# Altium PCB Drone.PcbDoc (part 2 of 2)
Units mil, origin at the board's own origin, x right, y up, seen from the top; angles counter-clockwise.
Board outline 3770.74 x 3770.74 mil, 4 copper layers (Top Layer, Layer 1, Layer 2, Bottom Layer), stack 33.556 mil thick; 105 components, 64 nets, 373 pads, 78 vias.
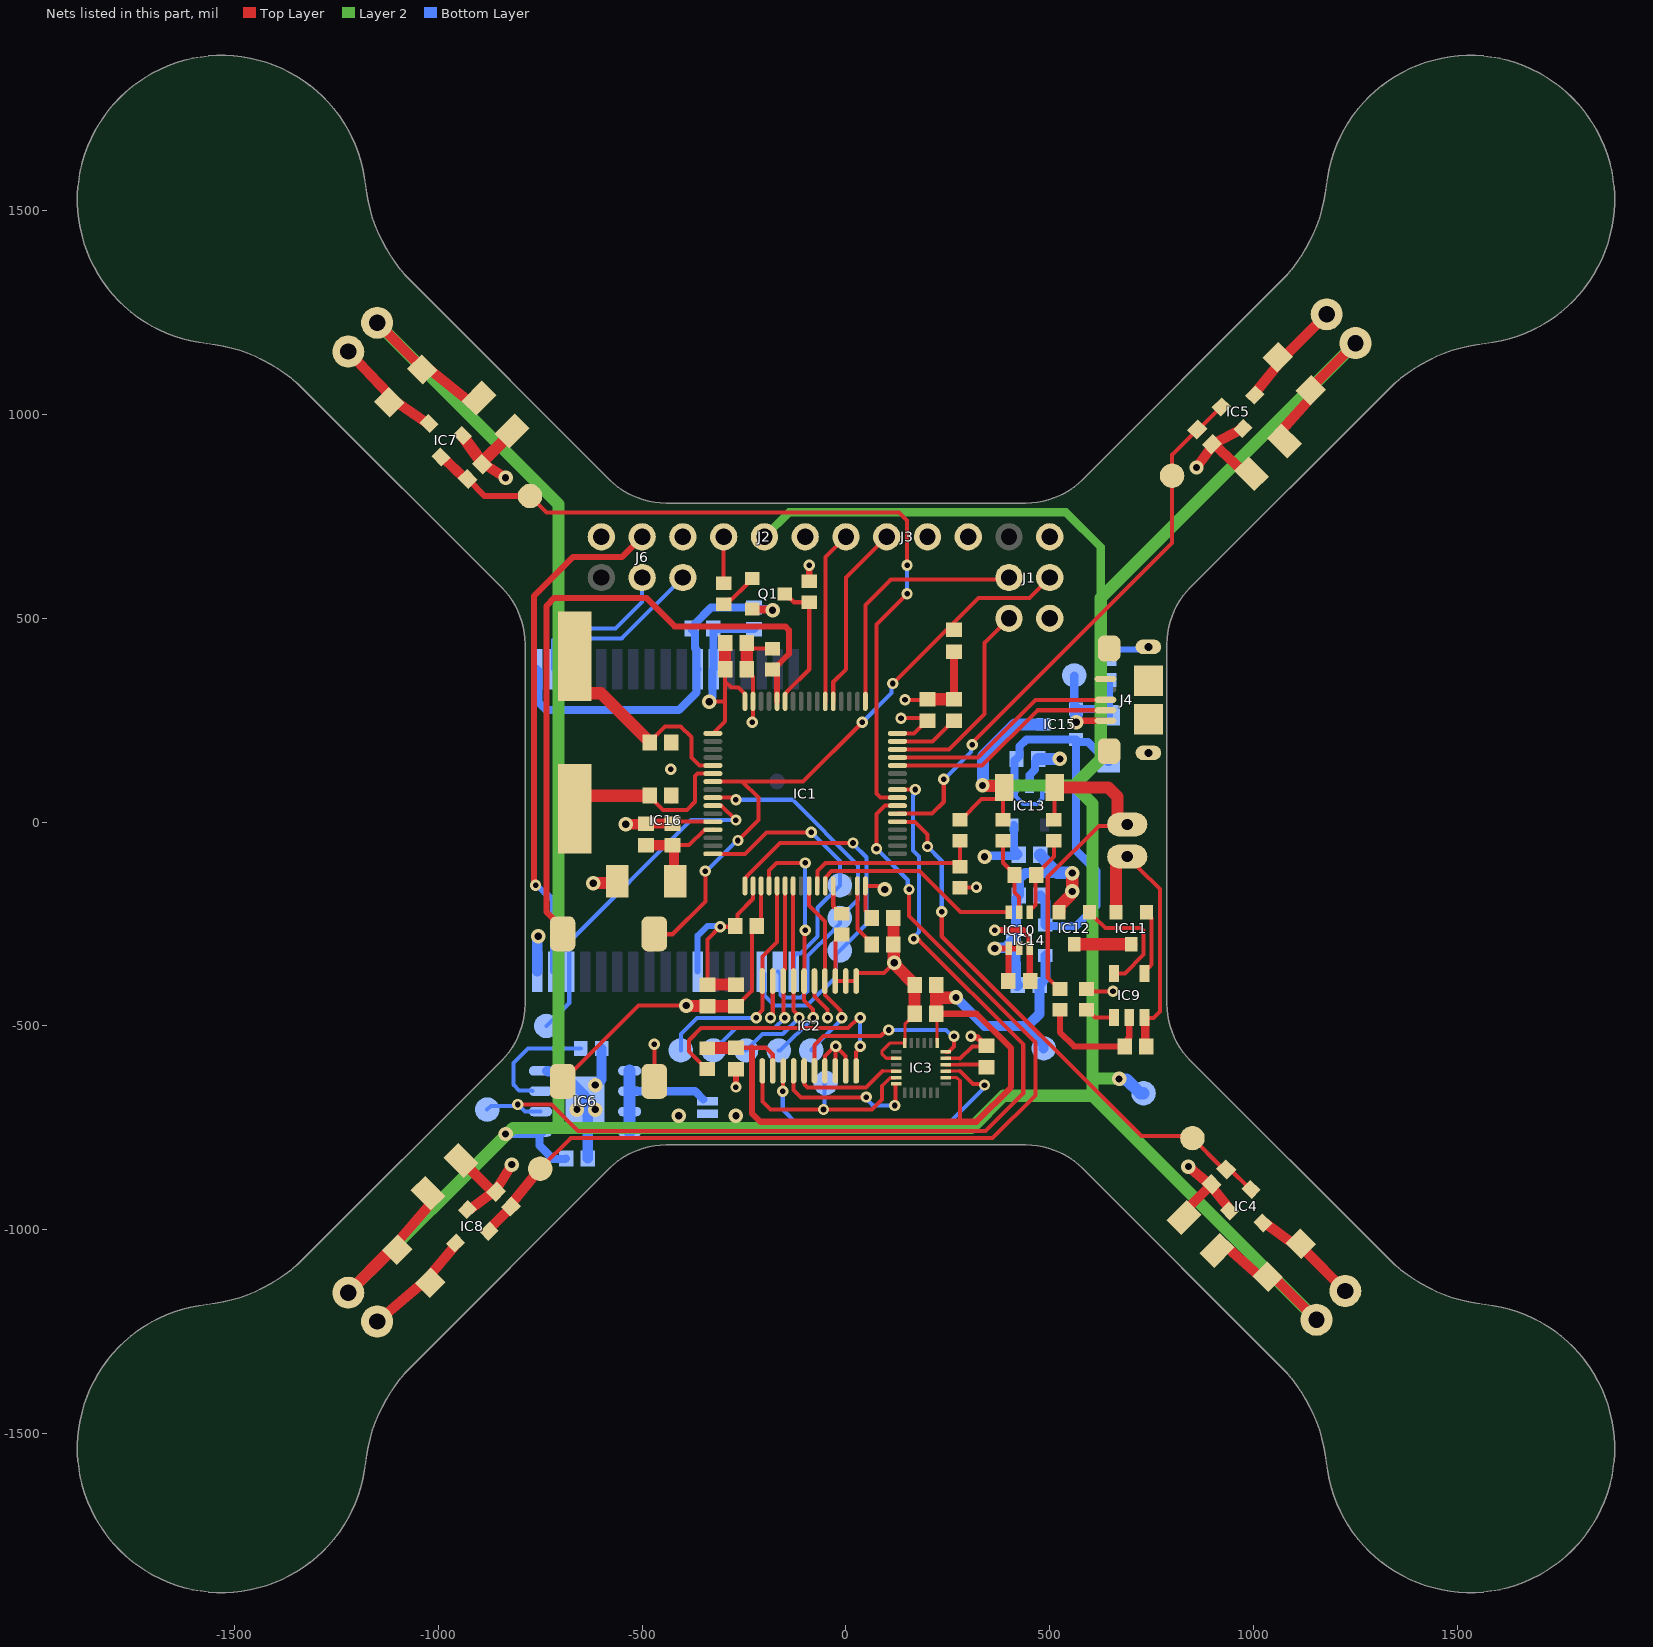
[diagram p4: the nets of this part, all layers, seen from the top]

## Via types
v1: diameter 27.56, hole 13.78, Top Layer to Bottom Layer, tented both sides, 51 vias
v2: diameter 35.43, hole 17.72, Top Layer to Bottom Layer, tented both sides, 27 vias

## Nets (pads, with @x,y where several pads share a name; then routed paths per layer and width w, separated by ;. In a path a pad name is that pad's centre, name@x,y a point inside that pad or via, vN(x,y) a via of type N, cw(c..) or ccw(c..) an arc to the next point about the centre after c; other vN are vias at no path point)
+1V8: C15.1 C17.2 C18.2 C31.2 IC2.2 IC3.8 IC3.13 IC14.2 R5.1 TP14.1 | length 2160
  Top Layer w8: C17.2@221.57,-470 223.54,-471.97 IC3.13@223.54,-542.05 ; IC3.8@245,-626.5 271.5,-626.5 280,-635
  Top Layer w10: C15.1@-270,-553.43 -230,-553.43 -196.57,-553.43 -179.57,-570.43 IC2.2@-179.57,-610.24 ; 280,-735 280,-635
  Top Layer w15: -230,-553.43 -230,-715 -210,-735 280,-735 320,-735 405,-650 405,-554.76 320.24,-470 C17.2@221.57,-470
  Top Layer w30: R5.1@-340,-554.41 -339.51,-553.92 -270.49,-553.92 C15.1@-270,-553.43 ; C17.2@221.57,-470 221.57,-435 ; C18.2@221.57,-400 221.57,-435 ; v2(270,-430) 268.96,-431.04 225.54,-431.04 221.57,-435
  Bottom Layer w25: v2(270,-430) 340,-500 445,-500 ; TP14.1@485,-555 485,-545.53 445,-505.53 445,-500 ; IC14.2@489.37,-327.4 489.37,-383.66 475,-398.03 475,-470 445,-500
+3V3: C6.2 C7.2 C9.2 C10.2 C11.2 C12.2 C16.2 C27.1 C29.2 C32.2 C33.2 FB1.1 IC1.1 IC1.19 IC1.32 IC1.48 IC1.64 IC2.19 IC10.3 IC13.5 IC16.12 J1.VTREF J3.VCC J6.VTREF R1.2 S2.2 | length 2313.8
  Top Layer w10: S2.2@-695,-635.91 -695,-630.11 -669.32,-604.43 -663.52,-604.43 -509.09,-450 v2(-391.56,-450) ; v2(-335.07,295.07) -333.75,296.38 -296.57,296.38 ; IC1.1@-326.38,217.64 -296.57,247.44 -296.57,296.38 ; C12.2@-296.57,375 -296.57,345.32 ; C16.2@-270,-451.57 -268.03,-451.57 -230,-413.54 -230,-266.57 -208.27,-244.84 IC1.19@-208.27,-156.38 ; IC1.64@-247.64,296.38 -247.64,314.09 -263.42,329.88 -281.14,329.88 -296.57,345.32 ; v1(-185,-480) -185,-475.25 -179.57,-469.82 IC2.19@-179.57,-389.76 ; C7.2@63.43,-235 63.43,-233.03 47.64,-217.24 IC1.32@47.64,-156.38 79.5,-156.38 88.12,-165 v2(95,-165) ; IC1.48@126.38,217.64 167.24,217.64 200,250.39 195.39,255 v1(135,255) ; -296.57,296.38 -296.57,345.32
  Top Layer w15: R1.2@-90,590.59 v1(-90,630) ; v1(365,-265) 435,-265 450.22,-280.22 450.22,-308.92 IC10.3@450.59,-309.29 450.96,-309.67 450.96,-389.39 C27.1@451.57,-390
  Top Layer w30: v2(-620,-150) -618.96,-148.96 -564.82,-148.96 FB1.1@-560.87,-145.01 ; v2(-391.56,-450) -390.77,-450.79 -340.79,-450.79 C6.2@-340,-451.57 C16.2@-270,-451.57 ; C12.2@-296.57,375 C11.2@-296.57,440
  Bottom Layer w20: v2(-335.07,295.07) -335.07,299.24 -327.2,307.1 -327.2,372.8 -324.7,375.3 C33.2@-324.7,474.7 ; C33.2@-325,475 C33.2@-324.7,474.7 ; C32.2@-225,473.43 -225.79,474.21 -324.21,474.21 C33.2@-324.7,474.7 ; v2(340,-85) 342.5,-82.5 420.93,-82.5 C29.2@423.43,-80 423.43,-78.03 412.6,-67.2 IC13.5@412.6,-7.24
+3V3_VDDA: C4.2 C5.2 FB1.2 IC1.13 | length 270.2
  Top Layer w10: C5.2@-425,-56.57 -385.01,-56.57 -347.36,-18.93 -326.72,-18.93 IC1.13@-326.38,-18.58
  Top Layer w25: C4.2@-490,-56.57 C5.2@-425,-56.57 -422.07,-59.51 -422.07,-142.07 FB1.2@-419.13,-145.01
+5V_USB: D5.1 IC15.1 J4.1 R18.2 TP12.1 | length 363.7
  Top Layer w15: v2(565,245) 568.82,248.82 J4.1@636.65,248.82
  Bottom Layer w20: TP12.1@560,360 560,283.15 IC15.1@564.37,277.4 629.69,277.4 D5.1@645,262.09 R18.2@645,348.82
  Bottom Layer w30: IC15.1@564.37,277.4 564.69,277.09 564.69,245.32 v2(565,245)
+V_BATT: C20.2 C21.2 C22.2 C23.2 C24.2 D1.2 D2.2 D3.2 D4.2 IC6.1 IC15.3 J2.VCC L1.Anode M1.+ M2.+ M3.+ M4.+ R11.2 R13.2 R14.1 TP15.1 | length 10540.9
  Top Layer w10: R14.1@280,5.59 281.97,5.59 332.91,56.54 370.35,56.54 385,71.18 R13.2@385,5.59
  Top Layer w25: M3.+@-1150,1225 -1046.38,1121.38 D3.2@-1039.63,1110.37 -1019.73,1108.97 -925.47,1033.04 C23.2@-900,1040 ; D4.2@-1100.73,-1049.27 -1099.34,-1029.36 -1018.41,-935.84 C24.2@-1025.37,-910.37 ; C20.2@910.37,-1050.37 935.84,-1043.41 1014.73,-1113.97 D1.2@1034.63,-1115.37 1052.44,-1118.86 M1.+@1154.29,-1220.71 ; C21.2@1075.37,935.37 1068.41,960.84 1138.97,1039.73 D2.2@1140.37,1059.63 1148.15,1073.15 M2.+@1250,1175
  Top Layer w30: M4.+@-1220.71,-1154.29 -1117.09,-1050.67 D4.2@-1100.73,-1049.27 ; v2(335,90) 336.04,88.96 384.03,88.96 R11.2@387.99,85
  Layer 2 w20: -410,-750 v2(-410,-720) ; -270,-750 v2(-270,-720) ; J2.VCC@-200,700 -140,760 540,760 625,675 625,550
  Layer 2 w30: M4.+@-1220.71,-1154.29 -816.42,-750 -705,-750 ; M3.+@-1150,1225 -705,780 -705,-750 ; v2(335,90) 560,90 ; v2(670,-630) 668.96,-628.96 608.96,-628.96 605,-625 ; M1.+@1154.29,-1220.71 605,-671.42 ; M2.+@1250,1175 625,550 625,155 560,90 ; -705,-750 -410,-750 -270,-750 308.21,-750 386.79,-671.42 605,-671.42 ; 560,90 605,45 605,-625 ; 605,-671.42 605,-625
  Bottom Layer w20: IC6.1@-751.83,-761.67 -751.83,-793.17 -718.65,-826.35 -687.93,-826.35 C22.2@-686.57,-825
  Bottom Layer w30: v2(-835,-765) -833.53,-765 -828.53,-760 IC6.1@-749.25,-760 ; v2(335,90) 336.04,91.04 336.04,161.04 414.25,239.25 484.88,239.25 IC15.3@485.63,240 ; v2(670,-630) 671.04,-631.04 687.92,-631.04 721.88,-665 TP15.1@730,-665
+V_BATT_CONN: J5.1 R11.1 R12.2 R15.2 | length 853.9
  Top Layer w10: R15.2@510,5.59 512.01,7.6 R11.1@512.01,85 ; R12.2@525,-409.41 523.03,-409.41 495,-381.38 495,-135 620.84,-9.16 666.79,-9.16 670.31,-5.63 679.52,-5.63 J5.1@690,-5.63
  Top Layer w30: R11.1@512.01,85 643.53,85 666.1,62.43 666.1,7.79 J5.1@679.52,-5.63
+Vin_RAW: C28.2 C30.2 D5.2 IC13.1 IC13.3 IC14.1 IC15.2 | length 1137
  Bottom Layer w10: IC13.1@412.6,87.24 416.57,83.27 416.57,63.43 435,45 469.14,45 481.57,57.43 481.57,81.42 IC13.3@487.4,87.24
  Bottom Layer w20: IC13.1@412.6,87.24 413.43,88.07 C28.2@413.43,151.97 ; C28.2@418.43,155 426.14,162.72 426.14,186.14 442.6,202.6 IC15.2@564.37,202.6 ; IC14.1@489.37,-252.6 491.77,-255 565,-255 615,-205 615,-120 564.37,-69.37 IC15.2@564.37,202.6 ; D5.2@645,147.91 643.03,147.91 594.09,196.85 570.12,196.85 IC15.2@564.37,202.6
  Bottom Layer w25: C30.2@476.57,-180 476.57,-181.97 489.37,-194.76 IC14.1@489.37,-252.6
BOOT0: IC1.60 R3.2 S2.1 | length 1653.7
  Top Layer w15: S2.1@-695,-274.09 -695,-260.13 -735,-220.13 -735,530 -715,550 -490,550 -420,480 -148.79,480 -140,471.21 -140,412.44 -178.03,374.41 R3.2@-180,374.41 -168.9,363.31 IC1.60@-168.9,296.38
BOOT1: IC1.28 R2.2 | length 77.9
  Top Layer w10: IC1.28@-31.1,-156.38 -31.1,-205.28 -11.97,-224.41 R2.2@-10,-224.41
CURR_ADC: IC1.27 IC10.6 | length 519
  Top Layer w10: IC1.27@-50.79,-156.38 -50.44,-156.03 -50.44,-135.44 -35,-120 180,-120 280.71,-220.71 IC10.6@399.41,-220.71
DWM_BT_WAKE: IC1.10 IC16.32 TP16.1 | length 833.1
  Top Layer w10: IC1.10@-326.38,40.47 -326.03,40.13 -305.13,40.13 v1(-270,5)
  Bottom Layer w10: TP16.1@-735,-500 -678.74,-443.74 IC16.32@-678.74,-366.73 -678.74,-293.84 -379.9,5 v1(-270,5)
DWM_READY: IC1.9 IC16.19 TP17.1 | length 919.9
  Top Layer w10: IC1.9@-326.38,60.16 -279.91,60.16 -274.75,55 v1(-270,55)
  Bottom Layer w10: v1(-270,55) -131.37,55 30,-106.37 30,-190 TP17.1@-15,-235 -15,-248.53 -29.32,-262.85 -29.32,-264.32 -95,-330 -95,-415 -110,-430 -154.47,-430 -160.33,-424.14 -160.33,-373.33 IC16.19@-166.93,-366.73
DWM_SWCLK: IC16.2 J6.SWCLK | length 388.6
  Bottom Layer w10: IC16.2@-718.11,375 -717.99,375.12 -717.99,447.01 -690,475 -565,475 -500,540 J6.SWCLK@-500,600
DWM_SWDIO: IC16.3 J6.SWDIO | length 404.9
  Bottom Layer w10: IC16.3@-678.74,375 -675.86,377.88 -675.86,434.14 -660,450 -550,450 J6.SWDIO@-400,600
DWM_UART_RX: IC1.16 IC16.18 TP18.1 | length 685.2
  Top Layer w10: IC1.16@-326.38,-77.64 -247.64,-77.64 -195,-25 v1(-85,-25)
  Bottom Layer w10: IC16.18@-127.56,-366.73 -127.56,-329.53 -119.76,-321.73 -111.73,-321.73 -70,-280 -70,-210 TP18.1@-15,-155 -15,-95 v1(-85,-25)
DWM_UART_TX: IC1.17 IC16.20 TP19.1 | length 968.4
  Top Layer w10: IC1.17@-247.64,-156.38 -247.64,-138.17 -242.86,-133.39 -242.86,-132.49 -161.51,-51.14 v1(17.23,-51.14)
  Bottom Layer w10: IC16.20@-206.3,-366.73 -200.28,-372.75 -200.28,-424.72 -175,-450 -95,-450 -24.57,-379.57 -24.57,-324.57 TP19.1@-15,-315 50,-250 50,-86.14 17.23,-53.37 v1(17.23,-51.14)
GND: C1.1 C2.1 C3.1 C4.1 C5.1 C6.1 C7.1 C9.1 C10.1 C11.1 C12.1 C13.1 C14.1 C15.2 C16.1 C17.1 C18.1 C19.1 C20.1 C21.1 C22.1 C23.1 C24.1 C27.2 C28.1 C29.1 C30.1 C31.1 C32.1 C33.1 IC1.12 IC1.18 IC1.63 IC2.7 IC2.8 IC2.9 IC2.11 IC2.12 IC2.13 IC2.15 IC3.11 IC3.18 IC3.20 IC4.2 IC5.2 IC6.4 IC6.EPAD IC7.2 IC8.2 IC10.1 IC10.2 IC12.2 IC13.2 IC14.3 IC16.1 IC16.11 IC16.24 IC16.34 J1.GND J2.GND J3.GND J4.5 J4.S J6.GND Q1.2 R2.1 R3.1 R6.1 R7.1 R8.1 R9.1 R10.1 R16.1 R17.1 R18.1 S1.1 | length 6227.6
  Top Layer w8: IC3.20@123.35,-579.25 123.02,-578.92 98.92,-578.92 88.31,-568.31 88.31,-561.69 107.95,-542.05 IC3.18@144.8,-542.05 144.8,-495.59 168.43,-471.97 C17.1@168.43,-470 ; IC3.11@245,-579.25 279.25,-579.25 280,-580
  Top Layer w10: S1.1@-470,-635.91 v1(-470,-545) ; C5.1@-425,-3.43 -420.47,1.1 IC1.12@-326.38,1.1 ; C6.1@-340,-398.43 -340,-288.25 v1(-308.37,-256.63) -273.2,-256.63 C10.1@-271.57,-255 -266.17,-249.6 -266.17,-226.17 -227.95,-187.95 IC1.18@-227.95,-156.38 ; C12.1@-243.43,375 -243.43,373.03 -227.95,357.56 IC1.63@-227.95,296.38 -228.3,296.03 -228.3,246.7 v1(-230,245) ; C11.1@-243.43,440 -243.43,438.31 -230.71,425.59 R3.1@-180,425.59 ; IC2.15@-77.2,-389.76 -77.2,-427.79 -45.35,-459.65 -45.35,-479.65 v1(-45,-480) ; IC2.7@-51.61,-610.24 -51.61,-573.95 -27.66,-550 v1(-25,-550) -1.16,-573.84 -1.16,-609.51 IC2.9@-0.43,-610.24 ; IC2.8@-26.02,-610.24 -25.51,-609.72 v1@-25.51,-550.51 ; R2.1@-10,-275.59 -11.97,-275.59 -26.02,-289.65 IC2.13@-26.02,-389.76 IC2.12@-0.43,-389.76 24.67,-389.76 24.92,-390.01 IC2.11@25.16,-389.76 25.16,-371.9 26.9,-370.16 93.28,-370.16 v2(118.44,-345) ; v1(145,300) 185.31,300 C9.1@200,301.57 ; 280,-580 310,-550 C19.1@343.43,-550 ; R17.1@280,-160.59 280.59,-160 v1(320,-160) ; R16.1@590,-409.41 595.59,-415 v1(655,-415)
  Top Layer w15: v1(-270,-650) C15.2@-270,-606.57 ; v1(306.46,-525.43) 308.69,-527.66 322.26,-527.66 343.43,-548.82 C19.1@343.43,-550 ; v2(365,-310) 365.35,-309.65 399.06,-309.65 IC10.1@399.41,-309.29 IC10.2@425,-309.29 ; C27.2@398.43,-390 399.04,-389.39 IC10.1@399.04,-309.67
  Top Layer w20: Q1.2@-229.37,522.6 -228.07,521.3 -181.3,521.3 v2(-180,520) ; C14.1@265,301.57 C1.1@265,418.43
  Top Layer w25: C24.1@-944.63,-829.63 -927.5,-844.93 R10.1@-864.8,-907.63 ; IC8.2@-928.61,-950.71 -922.62,-949.32 -865.47,-908.3 R10.1@-864.8,-907.63 ; R9.1@-891.9,878.1 -884.53,876.7 v2(-835,845) ; R10.1@-858.1,-906.9 R10.1@-864.8,-907.63 ; v2(-820,-840) -856.7,-899.53 R10.1@-864.8,-907.63 ; v2(-540,-5) -497.19,-5 C4.1@-490,-3.43 C5.1@-425,-3.43 -428.07,1.79 C5.1@-428.43,1.79 ; C2.1@-428.43,65 C2.1@-428.07,57.81 ; C3.1@-428.43,195 C3.1@-428.24,195.18 ; C20.1@829.63,-969.63 839,-946.57 894.2,-891.38 R6.1@896.9,-888.1 ; v2(840,-845) 889.53,-886.7 R6.1@896.9,-888.1 ; v2(860,870) 896.7,919.53 900.32,925.58 R7.1@901.94,928.3 ; IC4.2@940.71,-953.61 939.32,-947.62 898.3,-895.47 R6.1@896.9,-888.1 ; IC5.2@971.16,964.32 R7.1@901.94,928.3 ; C21.1@972.7,861.59 R7.1@901.94,928.3
  Top Layer w30: IC7.2@-940.71,948.61 -939.32,946.16 R9.1@-893.3,881.94 ; R9.1@-891.9,878.1 R9.1@-893.3,881.94 ; C23.1@-819.27,959.27 -832.07,943.17 R9.1@-893.3,881.94 ; C6.1@-340,-398.43 C16.1@-270,-398.43 ; C12.1@-243.43,375 C11.1@-243.43,438.31 ; C7.1@116.57,-235 C13.1@116.57,-300 117.51,-300.93 117.51,-344.07 v2(118.44,-345) 119.48,-346.04 119.48,-349.09 168.43,-398.03 C18.1@168.43,-400 C17.1@168.43,-470 ; C9.1@200,301.57 C14.1@265,301.57 ; IC12.2@522.6,-220.63 523.35,-219.88 523.35,-206.65 v2@551.73,-178.27 ; v2(555,-170) v2(555,-125) ; IC5.2@971.16,964.32 IC5.2@973.61,965.71 ; C21.1@972.7,861.59 C21.1@994.63,854.63
  Bottom Layer w15: IC16.24@-363.78,-366.73 -363.78,-278.78 -340,-255 -310,-255 v1(-308.37,-256.63) ; R18.1@645,400 646.97,400 656.2,409.23 656.2,411.2 668.41,423.41 716.15,423.41 722.66,429.92 J4.S@741.97,429.92
  Bottom Layer w20: IC16.1@-757.48,375 -754.68,372.2 -754.68,294.68 -735,275 -410,275 -366.57,318.43 -366.57,372.2 IC16.11@-363.78,375 -366.57,377.8 -366.57,423.29 -370,426.72 -370,453.6 -370.43,454.03 -370.43,465.31 -378.15,473.03 C33.1@-378.15,475 -370.43,482.72 -370.43,486.77 -330.63,526.57 C32.1@-225,526.57 -221.38,522.95 -182.95,522.95 v2(-180,520) ; IC13.2@450,87.24 450.83,88.07 450.83,115.83 463.86,128.86 463.86,147.28 C28.1@471.57,155
  Bottom Layer w25: IC16.34@-757.48,-366.73 -757.18,-366.44 -757.18,-285.01 -755,-282.82 v2(-755,-280) ; IC6.4@-733.21,-610.69 -731.83,-610.69 -731.04,-611.48 -699.94,-611.48 -674.94,-636.48 -640,-671.42 IC6.EPAD@-640,-685 -633.43,-691.57 C22.1@-633.43,-825 ; v2(-615,-645) -613.58,-645 -599.41,-630.83 R8.1@-599.41,-555 ; v2(365,-310) 367,-308 390.66,-308 408.66,-290 IC14.3@410.63,-290 ; C31.1@420.41,-401.44 C31.1@421.85,-400 416.63,-392.81 415.85,-293.25 IC14.3@410.63,-290 ; v2(555,-125) 439.32,-125 424.68,-139.64 424.68,-178.75 C30.1@423.43,-180 418.21,-187.19 415.85,-286.75 IC14.3@410.63,-290
  Bottom Layer w30: C28.1@471.57,155 v2(525,155) ; C29.1@476.57,-80 476.57,-81.97 518.57,-123.96 553.96,-123.96 v2(555,-125)
  other v1: -430,130
  other v2: -660,-705 -615,-705
IMU\_INT: IC1.25 IC2.14 TP1.1 | length 467.9
  Top Layer w10: IC1.25@-90.16,-156.38 -90.16,-204.84 -51.61,-243.39 IC2.14@-51.61,-389.76 -50.89,-390.49 -50.89,-424.11 -12.85,-462.15 -12.85,-477.15 v1(-10,-480)
  Bottom Layer w10: TP1.1@-85,-560 -85,-557.5 -10,-482.5 v1(-10,-480)
IMU_1V8_CS: IC2.5 IC3.22 | length 279
  Top Layer w8: 90,-610 90.75,-610.75 IC3.22@123.35,-610.75
  Top Layer w10: IC2.5@-102.8,-610.24 -102.07,-610.96 -102.07,-643.21 -94.55,-650.73 49.27,-650.73 90,-610
IMU_1V8_INT: IC2.6 IC3.12 | length 477.7
  Top Layer w10: IC2.6@-77.2,-610.24 -77.2,-547.2 -55,-525 85.36,-525 100.36,-510 v1(105,-510) ; IC3.12@245,-563.5 251.93,-563.5 265,-550.43 v1(265,-525)
  Bottom Layer w10: v1(105,-510) 245.25,-510 260.25,-525 v1(265,-525)
IMU_1V8_MISO: IC2.3 IC3.9 | length 756.2
  Top Layer w8: IC3.9@245,-610.75 279.25,-610.75
  Top Layer w10: v1(-155,-660) -154.49,-659.49 -154.49,-610.75 IC2.3@-153.98,-610.24 ; 279.25,-610.75 311.22,-642.72 337.72,-642.72 v1(340,-645)
  Bottom Layer w10: v1(-155,-660) -155,-705 -120,-740 250,-740 332.15,-657.85 332.15,-657.6 340,-649.75 v1(340,-645)
IMU_1V8_MOSI: IC2.4 IC3.24 | length 369
  Top Layer w10: IC2.4@-128.39,-610.24 -128.39,-656.61 -110,-675 49.51,-675 v1(50,-674.51) ; v1(120,-695) 121.67,-693.33 121.67,-642.91 122.34,-642.24 IC3.24@123.35,-642.24
  Bottom Layer w10: v1(50,-674.51) 50,-679.26 65,-694.26 65,-695 v1(120,-695)
IMU_1V8_SCLK: IC2.1 IC3.23 TP4.1 | length 530.5
  Top Layer w8: 88.95,-646.98 109.11,-626.83 123.02,-626.83 IC3.23@123.35,-626.5
  Top Layer w10: IC2.1@-205.16,-610.24 -205.16,-684.84 -185,-705 v1(-55,-705) 64.14,-705 88.95,-680.19 88.95,-646.98
  Bottom Layer w10: v1(-55,-705) -52.5,-702.5 -52.5,-642.5 TP4.1@-50,-640
IMU_CS: IC1.20 IC2.16 TP2.1 | length 642.8
  Top Layer w10: IC1.20@-188.58,-156.38 -188.58,-118.58 -170,-100 v1(-100,-100) ; v1(-100,-265) -102.07,-267.07 -102.07,-389.04 IC2.16@-102.8,-389.76 -102.8,-437.39 -80.44,-459.74 -80.44,-479.56 v1(-80,-480)
  Bottom Layer w10: TP2.1@-165,-560 -161.37,-560 -81.37,-480 v1(-80,-480) ; v1(-100,-265) v1(-100,-100)
IMU_MISO: IC1.22 IC2.18 TP5.1 | length 535.4
  Top Layer w10: v1(-150,-480) -153.25,-476.75 -153.25,-390.49 IC2.18@-153.98,-389.76 -153.98,-364.13 -150,-360.16 -150,-176.16 -149.56,-175.72 -149.56,-156.72 IC1.22@-149.21,-156.38
  Bottom Layer w10: TP5.1@-325,-560 -270,-505 -175,-505 v1(-150,-480)
IMU_MOSI: IC1.23 IC2.17 TP3.1 | length 492.8
  Top Layer w10: IC1.23@-129.53,-156.38 -129.53,-362.99 -128.39,-364.13 IC2.17@-128.39,-389.76 -128.39,-461.86 -115,-475.25 v1(-115,-480)
  Bottom Layer w10: TP3.1@-245,-560 -205,-520 -155,-520 v1(-115,-480)
IMU_REGOUT: C19.2 IC3.10 | length 102.7
  Top Layer w8: IC3.10@245,-595 280,-595
  Top Layer w10: 280,-595 338.43,-595 C19.2@345,-601.57
IMU_SCLK: IC1.21 IC2.20 TP6.1 | length 586.4
  Top Layer w10: v1(-220,-480) -220,-475.25 -205.16,-460.41 IC2.20@-205.16,-389.76 -204.43,-389.04 IC2.20@-204.43,-361.76 ; IC2.20@-204.43,-361.75 -204.43,-329.43 -168.9,-293.9 IC1.21@-168.9,-156.38
  Bottom Layer w10: TP6.1@-405,-560 -405,-520 -365,-480 v1(-220,-480)
LED_D_RSET: IC6.3 R8.2 | length 286.6
  Bottom Layer w10: IC6.3@-769.25,-660 -771.2,-658.05 -801.95,-658.05 -815.86,-644.14 -815.86,-590.86 -780,-555 R8.2@-650.59,-555
LED_NEG: IC6.5 IC6.6 IC6.7 IC6.8 L1.Cathode | length 339
  Bottom Layer w20: IC6.6@-530.75,-660 -370,-660 L1.Cathode@-350,-680
  Bottom Layer w30: IC6.8@-530.75,-760 IC6.7@-530.75,-710 IC6.6@-530.75,-660 IC6.5@-530.75,-610
LS_OE: IC2.10 R5.2 | length 667.5
  Top Layer w10: R5.2@-340,-605.59 -341.97,-605.59 -385,-562.56 -385,-535 -355,-505 5.36,-505 30.36,-480 v1(35,-480) ; IC2.10@25.16,-610.24 25.16,-563.97 35,-554.13 v1(35,-550)
  Bottom Layer w10: v1(35,-550) v1(35,-480)
M1_DRAIN: D1.1 IC4.3 M1.- | length 268.5
  Top Layer w25: IC4.3@1022.84,-982.84 1028.82,-984.23 1095.46,-1033.24 D1.1@1115.37,-1034.63 1123.15,-1048.15 M1.-@1225,-1150
M1_SIGNAL: IC1.37 IC4.1 R6.2 TP8.1 | length 1363.9
  Top Layer w10: IC1.37@126.38,1.1 126.72,0.76 169.24,0.76 200,-30 v1(200,-60) ; v1(235,-220) 235,-280 725,-770 845,-770 TP8.1@850,-775 920.31,-845.31 R6.2@933.1,-851.9 947.67,-856.7 983.65,-892.68 IC4.1@993.61,-900.71
  Bottom Layer w10: v1(200,-60) 235,-95 v1(235,-220)
M2_DRAIN: D2.1 IC5.3 M2.- | length 274.1
  Top Layer w25: IC5.3@1002.84,1047.84 1004.23,1053.82 1058.24,1120.46 D2.1@1059.63,1140.37 1077.44,1143.86 M2.-@1179.29,1245.71
M2_SIGNAL: IC1.38 IC5.1 R7.2 TP9.1 | length 1377.7
  Top Layer w10: IC1.38@126.38,20.79 126.72,21.13 211.13,21.13 240,50 v1(240,105) ; v1(310,190) 310,194.75 317.85,202.6 317.85,202.85 800,685 TP9.1@800,850 800,901.19 R7.2@861.9,963.1 ; R7.2@865.75,964.49 IC5.1@918.37,1017.11
  Top Layer w30: R7.2@861.9,963.1 R7.2@865.75,964.49 ; IC5.1@918.37,1017.11 IC5.1@920.71,1018.61
  Bottom Layer w10: v1(240,105) 306.64,171.64 306.64,186.64 v1(310,190)
M3_DRAIN: D3.1 IC7.3 M3.- | length 276.9
  Top Layer w25: M3.-@-1220.71,1154.29 -1121.76,1049.54 D3.1@-1120.37,1029.63 -1100.46,1028.24 -1028.82,979.23 IC7.3@-1022.84,977.84
M3_SIGNAL: IC1.40 IC7.1 R9.2 TP10.1 | length 1963.4
  Top Layer w10: TP10.1@-775,800 -735,760 130,760 150,740 v1(150,630) ; IC1.40@126.38,60.16 84.84,60.16 75,70 75,485 v1(150,560)
  Top Layer w15: R9.2@-928.1,841.9 -886.19,800 TP10.1@-775,800
  Top Layer w25: IC7.1@-993.61,895.71 -987.62,894.32 -935.47,843.3 R9.2@-928.1,841.9
  Bottom Layer w10: v1(150,560) v1(150,630)
M4_DRAIN: D4.1 IC8.3 M4.- | length 283.3
  Top Layer w25: M4.-@-1150,-1225 -1039.91,-1131.39 D4.1@-1020,-1130 -1018.61,-1110.1 -959.23,-1038.82 IC8.3@-957.84,-1032.84
M4_SIGNAL: IC1.39 IC8.1 R10.2 TP11.1 | length 2401.4
  Top Layer w10: TP11.1@-750,-850 -675,-775 360,-775 465,-670 465,-540 155,-230 v1(155,-165) ; v1(75,-65) 75,20 95.47,40.47 IC1.39@126.38,40.47
  Top Layer w25: IC8.1@-875.71,-1003.61 -874.32,-997.62 -825.23,-948.53 R10.2@-821.9,-943.1 -820.51,-935.72 TP11.1@-750,-850
  Bottom Layer w10: v1(75,-65) 151.64,-141.64 151.64,-161.64 v1(155,-165)
MAIN_LED_SIGNAL: IC1.41 IC6.2 TP7.1 | length 2367
  Top Layer w10: v1(-805,-692.72) -721.88,-692.72 -656.88,-757.72 342.28,-757.72 435,-665 435,-545 179.76,-289.76 169.76,-289.76 v1(166.4,-286.4) ; IC1.41@126.38,79.84 169.84,79.84 v1(170,80)
  Bottom Layer w10: TP7.1@-880,-705 -871.08,-696.08 -808.36,-696.08 v1(-805,-692.72) -787.72,-710 IC6.2@-749.25,-710 ; v1(166.4,-286.4) 166.4,-281.65 178.78,-269.28 178.78,-83.78 165,-70 165,65.36 166.64,67 166.64,76.64 v1(170,80)
NetC25_1: C25.1 IC10.4 R15.1 | length 203.1
  Top Layer w10: IC10.4@450.59,-220.71 450.59,-211.85 453.46,-208.98 459.14,-208.98 465,-203.12 465,-131.57 C25.1@466.57,-130 466.57,-128.03 510,-84.61 R15.1@510,-45.59
NetC25_2: C25.2 IC10.5 R13.1 | length 191.7
  Top Layer w10: R13.1@385,-45.59 385,-99.61 413.43,-128.03 C25.2@413.43,-130 413.43,-172.48 425,-184.06 IC10.5@425,-220.71
NRST: C1.2 IC1.7 J1.nRST S1.2 | length 1571.6
  Top Layer w10: S1.2@-470,-274.09 -469.09,-275 -425,-275 -345,-195 v1(-345,-120) ; IC1.7@-326.38,99.53 -254.53,99.53 ; v1(-265,-45) -215,5 -215,60 -254.53,99.53 ; v1(40,245) -105.47,99.53 -254.53,99.53 ; v1(115,340) 325,550 450,550 J1.nRST@500,600
  Bottom Layer w10: v1(-345,-120) -342.5,-120 -267.5,-45 v1(-265,-45) ; v1(40,245) 111.64,316.64 111.64,336.64 v1(115,340)
OSC_IN: C3.2 IC1.5 Y1.1 | length 552.1
  Top Layer w10: C3.2@-481.57,195 -481.57,196.97 -443.54,235 -405.32,235 -378.62,208.31 -378.62,158.62 -359.24,139.24 -326.72,139.24 IC1.5@-326.38,138.9
  Top Layer w30: Y1.1@-665,407.01 -665,342.43 -638.66,316.09 -600.7,316.09 -484.29,199.69 -484.29,197.72 C3.2@-481.57,195
OSC_OUT: C2.2 IC1.6 Y1.2 | length 441.2
  Top Layer w10: Y1.2@-665,32.99 Y1.2@-632.99,65 ; C2.2@-481.57,65 -481.57,63.03 -448.54,30 -390,30 -370,50 -370,113.51 -364.14,119.37 IC1.6@-326.91,119.37
  Top Layer w30: Y1.2@-632.99,65 C2.2@-481.57,65
PROT_CO: IC9.5 IC12.1 | length 303
  Top Layer w10: IC12.1@597.4,-220.63 597.4,-222.6 608.15,-233.35 610.12,-233.35 636.77,-260 724.14,-260 730,-265.86 730,-325 684.13,-370.87 IC9.5@657.6,-370.87
PROT_DO: IC9.4 IC11.1 | length 165.6
  Top Layer w10: IC9.4@732.4,-370.87 732.4,-362.01 739.21,-355.2 744.14,-355.2 750,-349.34 750,-235.2 737.4,-222.6 IC11.1@737.4,-220.63
PROT_FET: IC11.3 IC12.3 | length 140
  Top Layer w30: IC12.3@560,-299.37 IC11.3@700,-299.37
PROT_VDD: C26.2 IC9.2 R12.1 | length 303
  Top Layer w15: R12.1@525,-460.59 525,-515 560,-550 C26.2@683.43,-550 691.14,-542.28 691.14,-532.46 695,-528.6 IC9.2@695,-479.13
PROT_VM: IC9.1 R16.2 | length 75.3
  Top Layer w10: R16.2@590,-460.59 591.97,-460.59 610.51,-479.13 IC9.1@657.6,-479.13
RESETn: IC16.33 J6.nRST | length 1269.9
  Top Layer w15: v1(-761.28,-155) -763.68,-152.6 -763.68,-143.72 -765,-142.4 -765,555 -670,650 -550,650 J6.nRST@-500,700
  Bottom Layer w15: v1(-761.28,-155) -757.88,-155 -740.67,-172.21 -737.79,-172.21 -718.11,-191.89 IC16.33@-718.11,-366.73
SBUS_IN: J2.SBUS R4.1 | length 114.4
  Top Layer w10: R4.1@-300,585.59 J2.SBUS@-300,700
SBUS_INV_IN: Q1.1 R4.2 | length 97.9
  Top Layer w10: R4.2@-300,534.41 -288.27,546.14 -280.63,546.14 -242.09,584.69 -242.09,586.65 -231.34,597.4 Q1.1@-229.37,597.4
SWCLK: IC1.49 J1.SWCLK | length 616.5
  Top Layer w10: IC1.49@47.64,296.38 47.64,532.64 110,595 395,595 J1.SWCLK@400,600
SWDIO: IC1.46 J1.SWDIO | length 509.4
  Top Layer w10: IC1.46@126.38,178.27 253.27,178.27 340,265 340,440 J1.SWDIO@400,500
UART5_RX: IC1.54 J3.RX | length 424.7
  Top Layer w10: IC1.54@-50.79,296.38 -50.44,296.72 -50.44,315.72 -50,316.16 -50,650 J3.RX@0,700
UART5_TX: IC1.53 J3.TX | length 457.9
  Top Layer w10: IC1.53@-31.1,296.38 -31.1,343.9 0,375 0,600 J3.TX@100,700
USART1_RX: IC1.59 Q1.3 R1.1 | length 336.7
  Top Layer w10: Q1.3@-150.63,560 -139.88,549.25 -136.77,549.25 -126.92,539.41 R1.1@-90,539.41 -90,375 -144.43,320.57 -144.43,319.36 -149.21,314.58 IC1.59@-149.21,296.38
USB_M: IC1.44 J4.2 | length 566.4
  Top Layer w10: IC1.44@126.38,138.9 333.9,138.9 469.41,274.41 J4.2@636.65,274.41
USB_P: IC1.45 J4.3 | length 568.9
  Top Layer w10: IC1.45@126.38,158.58 323.58,158.58 465,300 J4.3@636.65,300
V_BATT_GND: C26.1 IC9.3 IC11.2 J5.2 | length 684.5
  Top Layer w10: J5.2@690,-84.37 696.41,-84.37 719.07,-107.03 719.07,-113.44 770,-164.37 770,-465 754.06,-480.94 IC9.3@734.21,-480.94
  Top Layer w20: IC9.3@734.21,-480.94 734.21,-547.64 C26.1@736.57,-550
  Top Layer w30: IC11.2@662.6,-220.63 662.6,-99.95 678.18,-84.37 J5.2@690,-84.37
VCAP_1: C13.2 IC1.31 | length 158.3
  Top Layer w10: IC1.31@27.95,-156.38 27.95,-262.56 63.43,-298.03 C13.2@63.43,-300
VCAP_2: C14.2 IC1.47 | length 159.5
  Top Layer w10: IC1.47@126.38,197.95 212.56,197.95 263.03,248.43 C14.2@265,248.43
VSENSE_ADC: IC1.26 R14.2 R17.2 | length 458.7
  Top Layer w10: IC1.26@-70.47,-156.38 -70.13,-156.03 -70.13,-120.13 -50,-100 R17.2@280,-100 ; R17.2@280,-109.41 R17.2@280,-100 ; R14.2@280,-45.59 R17.2@280,-100
pads on no net: IC1.2 IC1.3 IC1.4 IC1.8 IC1.11 IC1.14 IC1.15 IC1.24 IC1.29 IC1.30 IC1.33 IC1.34 IC1.35 IC1.36 IC1.42 IC1.43 IC1.50 IC1.51 IC1.52 IC1.55 IC1.56 IC1.57 IC1.58 IC1.61 IC1.62 IC3.1 IC3.2 IC3.3 IC3.4 IC3.5 IC3.6 IC3.7 IC3.14 IC3.15 IC3.16 IC3.17 IC3.19 IC3.21 IC13.4 IC16.4 IC16.5 IC16.6 IC16.7 IC16.8 IC16.9 IC16.10 IC16.13 IC16.14 IC16.15 IC16.16 IC16.17 IC16.21 IC16.22 IC16.23 IC16.25 IC16.26 IC16.27 IC16.28 IC16.29 IC16.30 IC16.31 IC16.35 J1.SWO J4.4 J6.SWO

## Polygon pours and split planes (outlines as drawn)
GND on Top Layer "GND_L01_P002" (solid, pour order 2): -380,385 -525,530 -725,530 -725,-105 -600,-105 -600,-15 -560,25 -380,25
GND on Top Layer "GND_L01_P000" (solid, pour order 0): 600,135 785,135 785,470 600,470 600,340 690,340 690,220 600,220
+3V3 on Layer 2 "+3V3_L03_P001" (solid, pour order 1): -650,750 550,750 550,225 250,225 250,0 500,0 500,-500 -650.7,-500
+V_BATT on Bottom Layer "+V_BATT_L04_P004" (solid, pour order 4): -230,-700 -480,-700 -480,-780 -230,-780
LED_NEG on Bottom Layer "LED_NEG_L04_P003" (solid, pour order 3): -540,-575 -455,-575 -455,-620 -230,-620 -230,-700 -540,-700
GND on Layer 1 (split plane): 1705 vertices, not listed, extent -1865.62,-1870.32 1865.9,1861.2

## Silkscreen, mask and mechanical layers (free items; w line width, h text height)
Top Overlay:
  text "M2S" at 671.82,833.97 h50
  text "M3S" at -833.18,713.99 h50
  text "F4 JTAG" at 575,605.52 h50
  text "DWM JTAG" at -615,480.52 h50
  text "DFU" at -737.44,-735.75 h50
  text "RESET" at -537.35,-736.03 h50
  text "M1S" at 806.82,-736.03 h50
  text "M4S" at -828.18,-806.03 h50
Bottom Overlay:
  text "5V" at 581.23,404.25 h50
  text "JLCJLCJLCJLC" at -310,200 h50
  text "RX" at 119.17,-171.01 h50
  text "RDY" at 120.28,-246.01 h50
  text "TX" at 122.9,-326.01 h50
  text "BT_WAKE" at -516.93,-479.24 h40
  text "1V8" at 521.38,-510.81 h50
  text "SCLK" at -394.21,-512.8 h40
  text "MISO" at -296.48,-512.8 h40
  text "MOSI" at -192.29,-512.8 h40
  text "CS" at -137.01,-512.8 h40
  text "INT" at -58.28,-512.78 h40
  text "1V8_SCLK" at 208.19,-636.85 h50
  text "Made with <3 by Akash Idnani / REV1 - Jan 2021" at 605,-755 h50
  text "LED" at -894.31,-791.01 h50
Mechanical 1:
  circle w0.5: c1255.69,1526.58 r41.34
  circle w0.5: c1726.15,1721.45 r41.34
  circle w0.5: c1726.15,1331.71 r41.34
  circle w0.5: c1531.28,1526.58 r177.17
  circle w0.5: c1531.28,-1535.69 r177.17
  circle w0.5: c1336.41,-1730.57 r41.34
  circle w0.5: c1726.15,-1730.57 r41.34
  circle w0.5: c1531.28,-1260.1 r41.34
  circle w0.5: c-1255.41,-1535.69 r41.34
  circle w0.5: c-1725.87,-1730.57 r41.34
  circle w0.5: c-1725.87,-1340.82 r41.34
  circle w0.5: c-1531,-1535.69 r177.17
  circle w0.5: c-1531,1526.58 r177.17
  circle w0.5: c-1336.12,1721.45 r41.34
  circle w0.5: c-1725.87,1721.45 r41.34
  circle w0.5: c-1531,1250.99 r41.34
  lines w0.5: -1567.57,-1183.26 ccw(c-1608.21,-791.66) -1329.82,-1070.05 -844.92,-585.15 ccw(c-984.11,-445.95) -787.26,-445.95 -787.26,436.84 ccw(c-984.11,436.84) -844.92,576.03 -1329.82,1060.93 ccw(c-1608.21,782.54) -1567.57,1174.14 cw(c-1531,1526.58) -1178.56,1563.15 ccw(c-786.96,1603.79) -1065.35,1325.4 -580.45,840.5 ccw(c-441.25,979.7) -441.25,782.84 441.54,782.84 ccw(c441.54,979.7) 580.73,840.5 1065.63,1325.4 ccw(c787.24,1603.79) 1178.84,1563.15 cw(c1531.28,1526.58) 1567.85,1174.14 ccw(c1608.49,782.54) 1330.1,1060.93 845.2,576.03 ccw(c984.39,436.84) 787.54,436.84 787.54,-445.95 ccw(c984.39,-445.95) 845.2,-585.15 1330.1,-1070.05 ccw(c1608.49,-791.66) 1567.85,-1183.26 cw(c1531.28,-1535.69) 1178.84,-1572.27 ccw(c787.24,-1612.9) 1065.63,-1334.52 580.73,-849.61 ccw(c441.54,-988.81) 441.54,-791.96 -441.25,-791.96 ccw(c-441.25,-988.81) -580.45,-849.61 -1065.35,-1334.52 ccw(c-786.96,-1612.9) -1178.56,-1572.27 cw(c-1531,-1535.69) -1567.57,-1183.26

## Text inside footprints (layer, text, board x,y; h text height)
IC16: Top 3D Body "Non-GROUND" at -962.8,236.42 h50 r90
J1: Top Overlay "SWDIO" at 345,395.36 h35; Top Overlay "nRST" at 467.65,430.36 h35; Top Overlay "SWCLK" at 345,430.36 h35; Top Overlay "SWO" at 360,745.36 h35; Top Overlay "GND" at 468.73,745.36 h35; Top Overlay "VTREF" at 458.91,395 h35
J2: Top Overlay "VBATT" at -250.06,745 h35; Top Overlay "SBUS" at -341.13,745.36 h35; Top Overlay "GND" at -133.13,745.36 h35
J3: Top Overlay "RX1" at -26.37,745 h35; Top Overlay "TX1" at 74.52,745 h35; Top Overlay "VCC" at 167.63,745.36 h35; Top Overlay "GND" at 266.87,745.36 h35
J6: Top Overlay "3V3" at -428,745.39 h35; Top Overlay "GND" at -636.27,745.36 h35; Top Overlay "SWO" at -635,530.36 h35; Top Overlay "SWCLK" at -550,530.36 h35; Top Overlay "nRST" at -542.35,745.36 h35; Top Overlay "SWDIO" at -440,530.36 h35
L1: Bottom Overlay "+" at -309.74,-782.68 h50 r270; Bottom Overlay "-" at -310.24,-637.01 h50 r270
M1: Top Overlay "+" at 1115.12,-1196.48 h50 r45; Top Overlay "-" at 1192.16,-1125.73 h50 r45
M2: Top Overlay "+" at 1225.77,1135.83 h50 r135; Top Overlay "-" at 1155.01,1212.87 h50 r135
M3: Top Overlay "+" at -1110.83,1200.77 h50 r225; Top Overlay "-" at -1187.87,1130.01 h50 r225
M4: Top Overlay "+" at -1196.48,-1115.12 h50 r315; Top Overlay "-" at -1125.72,-1192.16 h50 r315